# Altium PCB ESP32-DevKit-Final.PcbDoc (continued)
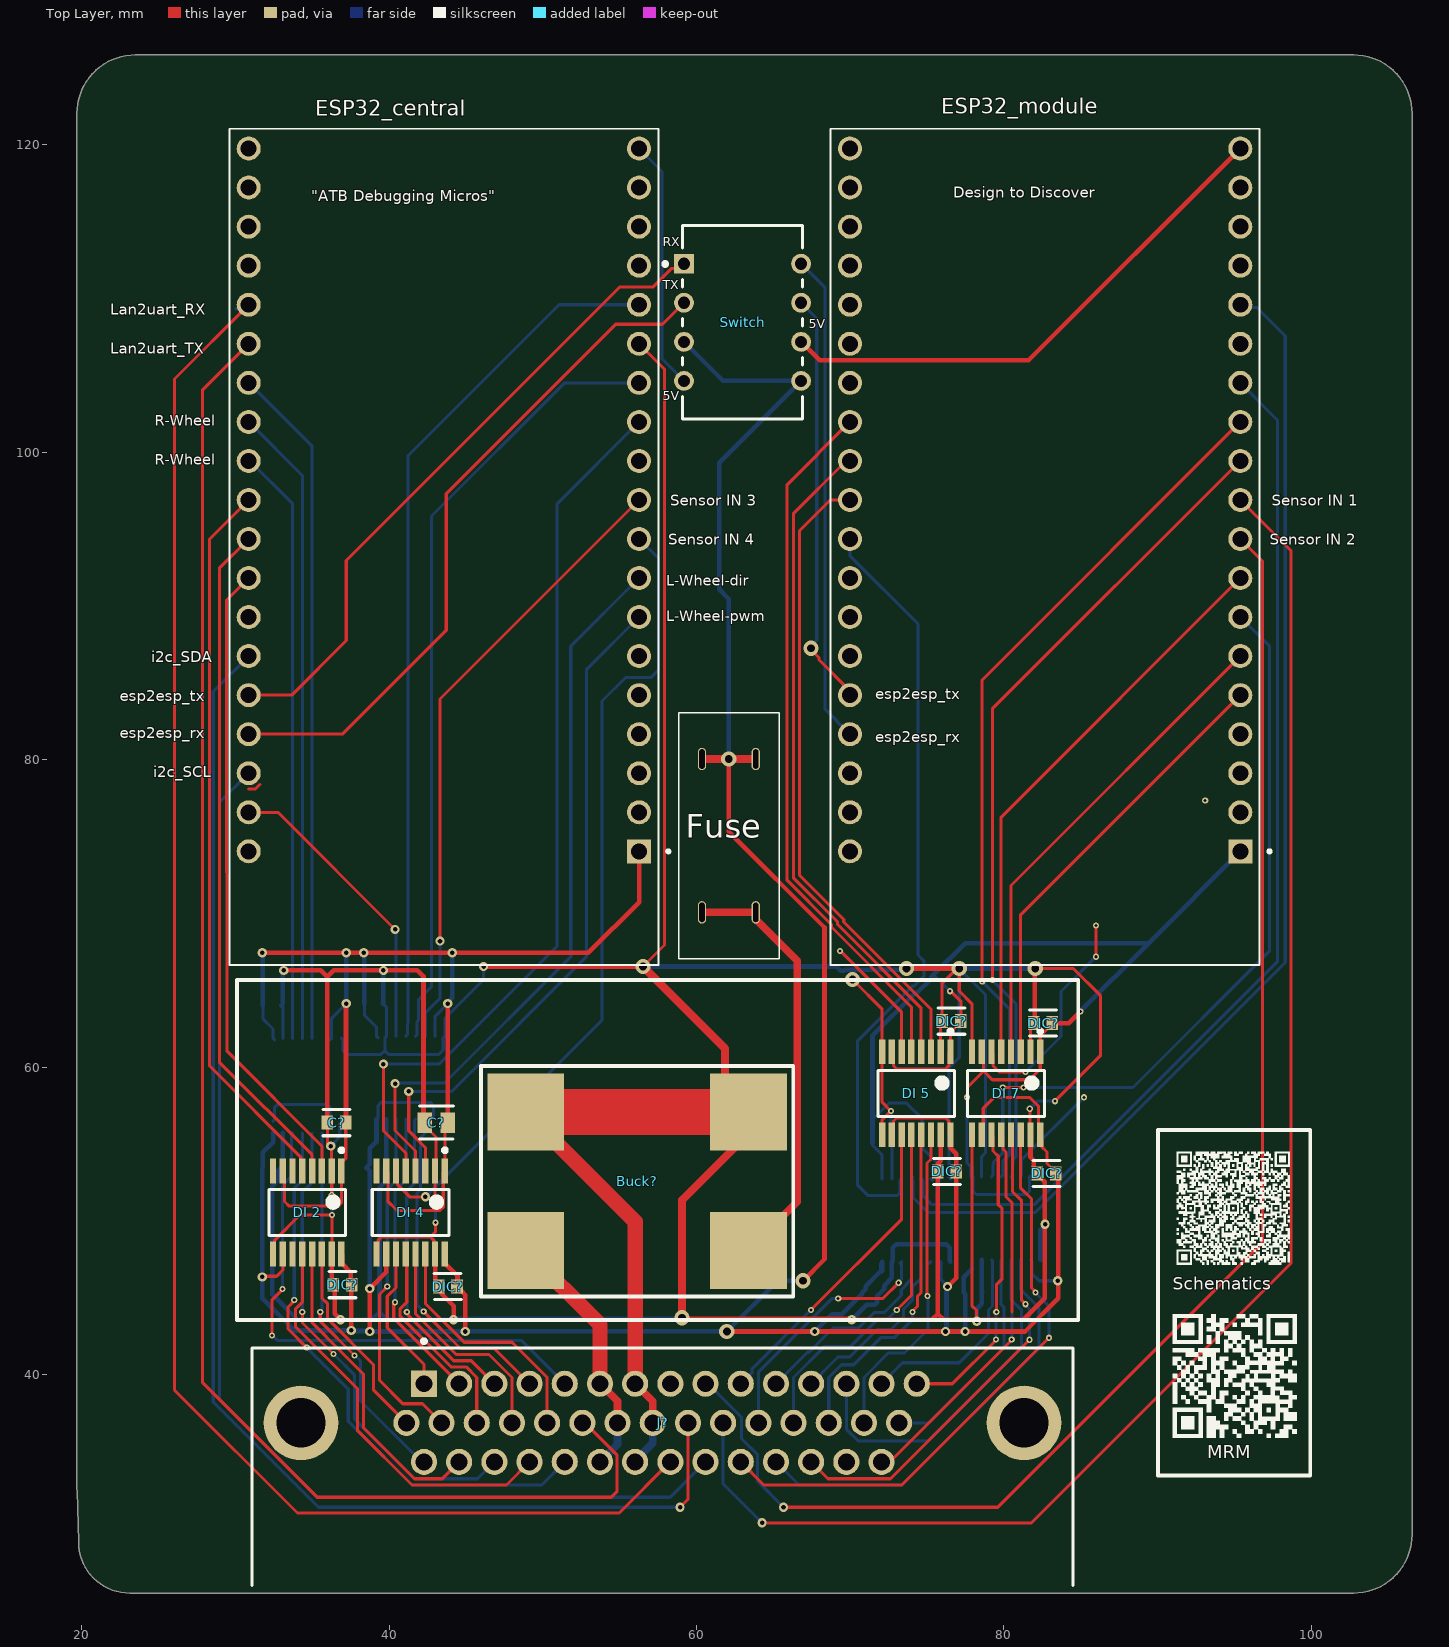
[diagram p0: Top Layer view]
## Nets (pads, with @x,y where several pads share a name; then routed paths per layer and width w, separated by ;. In a path a pad name is that pad's centre, name@x,y a point inside that pad or via, vN(x,y) a via of type N, cw(c..) or ccw(c..) an arc to the next point about the centre after c; other vN are vias at no path point)
GND: "DI 1.2" "DI 1.8" "DI 1.9" "DI 1.15" "DI 2.2" "DI 2.8" "DI 2.9" "DI 2.15" "DI 3.2" "DI 3.8" "DI 3.9" "DI 3.15" "DI 4.2" "DI 4.8" "DI 4.9" "DI 4.15" "DI 5.2" "DI 5.8" "DI 5.9" "DI 5.15" "DI 6.2" "DI 6.8" "DI 6.9" "DI 6.15" "DI 7.2" "DI 7.8" "DI 7.9" "DI 7.15" "DI 8.2" "DI 8.8" "DI 8.9" "DI 8.15" Buck?.2 Buck?.4 C?.2 DIC?.2 ESP32_central.J2-14 J?.7 J?.23 J?.37 | length 445.5
  Top Layer w0.2: 32.448,47.846 32.554,47.951 32.554,48.745 34.195,50.387 v1(36.29,50.387) 36.29,47.878 36.258,47.846 ; C?.2@35.976,56.388 35.976,55.083 v2(36.195,54.864) 36.258,54.8 36.258,53.246 36.264,53.241 v1(36.264,51.665) ; 39.179,47.846 39.285,47.951 39.285,48.745 39.485,48.946 42.684,48.946 ; 39.179,53.246 39.179,53.841 ; C?.2@42.315,56.388 42.315,56.188 43.053,55.45 43.053,53.309 42.989,53.246 ; v1(42.995,51.157) 42.995,52.733 ; 43.021,47.846 43.021,48.604 42.86,48.766 42.86,48.77 42.684,48.946 ; v1(43.021,49.879) 43.021,49.283 42.684,48.946 ; ESP32_central.J2-14 57.912,105.41 57.912,67.945 v3(56.515,66.548) ; v3(59.055,43.688) v3@59.118,43.624 ; v3(70.142,65.703) 72.072,63.773 72.072,60.993 72.072,57.721 v1(72.645,57.149) 72.072,56.577 72.072,55.593 ; 75.882,60.993 75.882,62.893 75.981,62.992 75.981,65.452 v3@76.8,66.271 ; v3(77.089,66.421) 77.089,64.955 77.915,64.129 77.915,60.993 ; 78.02,55.698 77.915,55.593 77.915,44.48 78.226,44.168 v2(78.226,43.465) ; v1(81.679,57.295) 81.702,57.272 81.702,55.616 81.724,55.593 ; 81.724,60.993 81.724,62.639 DIC?.2@81.95,62.865 ; v3(82.042,66.421) 84.507,66.421 86.292,64.636 86.292,60.765 v1(83.312,57.785) ; DIC?.2@82.169,53.086 DIC?.2@82.169,53.161
  Top Layer w0.3: v2(33.147,66.294) 35.56,66.294 35.976,65.878 ; C?.2@35.976,56.388 35.976,65.878 ; 36.258,47.846 36.258,45.847 36.276,45.847 36.449,45.674 36.449,43.946 36.826,43.569 v2(36.838,43.569) ; C?.2@42.315,56.388 42.233,56.47 42.233,65.913 42.21,65.913 41.829,66.294 v2(39.624,66.294) 36.392,66.294 35.976,65.878 ; 42.989,47.846 42.989,45.507 43.053,45.444 DIC?.2@43.21,45.444 ; DIC?.2@43.215,45.72 43.215,45.444 43.416,45.444 43.44,45.42 43.44,45.219 44.196,44.463 v2(44.196,43.561) ; v2(46.143,66.548) v3(56.515,66.548) ; J?.37 J?.37@56.005,34.404 ; v3@59.118,43.624 59.125,43.618 70.047,43.618 v2(70.104,43.561) 75.311,43.561 75.692,43.942 ; Buck?.4@61.849,58.613 Buck?.4 ; v3(73.66,66.421) 76.766,66.421 v3@76.8,66.386 ; 75.882,55.339 75.882,53.911 75.692,53.721 75.692,53.213 75.692,43.942 ; v2@78.169,43.522 77.957,43.522 77.918,43.561 76.073,43.561 75.692,43.942 ; v2@78.276,43.365 78.276,43.433 78.404,43.561 81.242,43.561 82.644,44.963 82.644,52.536 82.169,53.011 DIC?.2@82.169,53.086 ; 81.724,55.339 81.724,54.147 81.944,53.927 81.944,53.386 DIC?.2@82.169,53.161 ; DIC?.2@81.95,62.865 81.996,62.911 81.996,66.375 v3(82.042,66.421)
  Top Layer w0.5: J?.7 57.15,38.255 J?.23 ; v3(56.515,66.548) 61.849,61.214 Buck?.4@61.849,58.613 ; v3(59.055,43.688) 59.055,51.352 Buck?.4@64.781,57.078
  Top Layer w1: Buck?.2 56.005,49.957 J?.7
  Top Layer w3: Buck?.2 Buck?.4
  Bottom Layer w0.2: DIC?.2@32.985,64.008 33.084,63.909 33.084,61.882 ; v2(36.195,54.864) 36.788,55.457 36.788,56.377 36.893,56.482 ; v1(36.264,51.665) 36.277,51.652 36.277,50.4 v1(36.29,50.387) ; 36.893,61.882 36.999,61.777 36.999,61.077 37.243,60.833 39.473,60.833 39.717,61.077 ; DIC?.2@39.589,64.135 39.814,63.909 39.814,62.009 39.717,61.912 39.717,61.077 ; v1(42.995,51.157) 43.008,51.144 43.008,49.892 v1(43.021,49.879) ; v2(46.143,66.548) 46.143,65.685 43.624,63.167 43.624,62.009 43.519,61.904 43.519,61.11 43.243,60.833 39.961,60.833 39.717,61.077 ; DIC?.2@72.644,54.991 72.707,54.927 72.707,52.738 ; DIC?.2@72.645,54.992 v1(72.645,57.149) ; 76.517,52.738 76.435,52.82 76.435,59.973 77.089,60.627 v3(77.089,66.421) 78.797,64.713 78.797,55.499 78.797,54.428 78.549,54.181 78.549,52.865 ; DIC?.2@78.549,45.367 DIC?.2@78.578,45.339 ; v1(81.679,57.295) 82.169,57.785 v1(83.312,57.785)
  Bottom Layer w0.3: DIC?.2@32.985,64.008 33.09,64.113 33.09,66.237 v2(33.147,66.294) ; 33.084,55.72 33.084,53.566 32.985,53.467 32.76,53.242 32.76,52.629 32.385,52.254 32.385,45.212 34.036,43.561 v2@36.83,43.561 ; v2(36.838,43.569) v2@36.83,43.561 ; DIC?.2@39.589,64.135 39.606,64.153 39.606,66.276 v2(39.624,66.294) ; DIC?.2@39.716,53.467 39.716,52.506 39.37,52.16 39.37,44.069 ; DIC?.2@39.814,53.467 39.814,56.609 ; v3(56.515,66.548) 69.108,66.548 69.384,66.272 69.574,66.272 ; v3(59.055,43.688) 58.985,43.618 44.253,43.618 v2(44.196,43.561) 39.878,43.561 39.37,44.069 ; 69.596,66.294 69.648,66.346 70.142,66.346 ; v2(70.104,43.561) 71.082,44.539 71.583,44.539 71.749,44.705 71.749,45.114 71.974,45.339 72.199,45.564 72.199,45.783 72.707,46.291 72.707,47.338 72.763,47.393 72.763,48.258 72.993,48.488 76.232,48.488 76.462,48.258 76.462,47.393 76.517,47.338 ; v3(70.142,65.703) 70.142,66.346 ; v3(73.66,66.421) 73.585,66.346 70.142,66.346 ; v3(77.089,66.421) v3(82.042,66.421) ; v2(78.226,43.465) 78.226,44.281 78.56,44.615 78.56,45.321 DIC?.2@78.578,45.339 ; DIC?.2@78.549,45.367 78.549,47.465 ; 82.359,47.465 82.359,49.385 82.677,49.703 v2(82.677,49.784) ; v2@36.83,43.561 38.862,43.561 39.37,44.069
  Bottom Layer w0.5: J?.37@56.005,34.404 57.15,35.549 J?.23
NetBuck?_1: Buck?.1 J?.6 J?.22 J?.36 | length 16.7
  Top Layer w0.5: J?.6 54.86,38.255 J?.22
  Top Layer w1: Buck?.1 53.715,43.247 J?.6
  Bottom Layer w0.5: J?.36 54.86,35.465 J?.22
NetBuck?_3: Buck?.3 Fuse.0 | length 28.4
  Top Layer w0.3: Buck?.3 Buck?.3@63.679,48.373
  Top Layer w0.5: Fuse.0@60.353,69.616 Fuse.0@60.353,70.069 ; Fuse.0@60.353,70.069 63.853,70.069 63.853,69.617 66.548,66.922 66.548,51.242 Buck?.3@63.679,48.373
NetC?_1: "DI 1.1" "DI 1.7" "DI 2.1" "DI 2.7" "DI 3.1" "DI 3.7" "DI 4.1" "DI 4.7" C?.1 DIC?.1@31.785,64.008 DIC?.1@38.389,64.135 ESP32_central.J2-1 | length 91.6
  Top Layer w0.2: 33.084,53.246 33.189,53.141 33.189,51.263 33.494,50.957 36.693,50.957 36.893,51.158 36.893,53.246 36.893,53.841 36.999,53.946 37.055,53.946 37.176,54.067 37.176,56.388 C?.1@37.211,56.423 ; 39.76,53.301 39.814,53.246 39.92,53.141 39.92,51.267 40.513,50.673 43.307,50.673 43.519,50.885 43.519,53.141 43.624,53.246 43.624,56.197 C?.1@43.815,56.388
  Top Layer w0.3: v2(31.75,67.437) v2(37.211,67.437) v2(38.354,67.437) v2(44.111,67.437) 52.959,67.437 56.261,70.739 ESP32_central.J2-1 ; C?.1@37.211,56.423 37.193,56.441 37.193,64.117 v2(37.211,64.135) ; C?.1@43.815,56.388 v2(43.815,64.135)
  Bottom Layer w0.2: DIC?.1@31.785,64.008 31.785,63.14 32.448,62.477 32.448,61.882 32.554,61.777 ; 36.153,61.777 36.258,61.882 36.258,63.182 v2(37.211,64.135) ; DIC?.1@38.389,64.135 38.389,63.394 39.179,62.604 39.179,62.009 39.285,61.904 ; 42.989,62.009 42.989,63.309 v2(43.815,64.135)
  Bottom Layer w0.3: v2(31.75,67.437) 31.768,67.419 31.768,64.026 DIC?.1@31.785,64.008 ; v2(37.211,64.135) v2(37.211,67.437) ; v2(38.354,67.437) 38.372,67.419 38.372,64.153 DIC?.1@38.389,64.135 ; v2(43.815,64.135) 43.815,64.216 44.111,64.512 v2(44.111,67.437)
"NetDI 1_3": "DI 1.3" ESP32_central.J3-11 | length 38.8
  Bottom Layer w0.2: ESP32_central.J3-11 30.924,99.441 33.718,96.647 33.718,61.882
"NetDI 1_4": "DI 1.4" ESP32_central.J3-12 | length 41.5
  Bottom Layer w0.2: ESP32_central.J3-12 34.353,98.489 34.353,97.917 34.353,61.882
"NetDI 1_5": "DI 1.5" ESP32_central.J3-13 | length 44.3
  Bottom Layer w0.2: ESP32_central.J3-13 34.989,100.393 34.989,61.882
"NetDI 1_10": "DI 1.10" "DI 1.16" "DI 2.10" "DI 2.16" "DI 3.10" "DI 3.16" "DI 4.10" "DI 4.16" "DI 5.10" "DI 5.16" "DI 6.10" "DI 6.16" "DI 7.10" "DI 7.16" "DI 8.10" "DI 8.16" DIC?.1@31.785,53.467 DIC?.1@37.557,45.847 DIC?.1@38.516,53.467 DIC?.1@44.415,45.72 DIC?.1@70.774,45.339 DIC?.1@76.892,53.213 DIC?.1@77.378,45.339 DIC?.1@83.369,53.086 Fuse.1 Switch.3 Switch.5 | length 243.9
  Top Layer w0.2: v2@31.793,46.398 32.682,46.398 33.084,46.799 33.084,47.846 ; 72.707,55.593 72.813,55.698 72.813,56.492 73.013,56.693 76.212,56.693 76.412,56.492 76.412,55.698 76.517,55.593 ; 78.549,55.593 78.655,55.698 78.655,57.319 79.375,58.039 81.661,58.039 82.254,57.446 82.254,55.698 82.359,55.593 82.359,56.156 82.465,56.261 ; 82.359,55.339 82.465,55.234 82.465,54.822 82.804,54.483 82.804,53.726 83.369,53.161 DIC?.1@83.369,53.086
  Top Layer w0.3: v2(31.75,46.355) v2@31.793,46.398 ; 36.893,47.846 36.949,47.791 36.949,47.196 37.511,46.633 37.511,45.797 37.531,45.659 37.547,45.642 37.547,42.881 v2(37.536,42.87) ; v2(38.735,42.799) v2(38.735,45.593) 39.814,46.672 39.814,47.846 ; 43.624,47.846 43.624,47.251 44.45,46.426 DIC?.1@44.45,45.72 ; DIC?.1@44.415,45.72 44.415,45.645 44.64,45.42 44.715,45.42 44.958,45.177 v2(44.958,42.799) ; v3@61.989,42.812 62.001,42.799 v2(67.691,42.799) v2(76.2,42.799) v2(77.47,42.799) 81.369,42.799 83.528,44.958 83.528,46.066 v2(83.493,46.101) ; v3(62.103,80.045) 62.103,75.311 68.326,69.088 68.326,47.498 v3(66.929,46.101) ; v2(76.327,45.72) 76.892,46.285 76.892,53.213 76.892,54.37 76.517,54.744 76.517,55.339 ; DIC?.1@83.369,53.086 83.528,52.927 83.528,46.24 83.467,46.179 v2@83.393,46.179
  Top Layer w0.5: Fuse.1@60.353,80.045 v3(62.103,80.045) Fuse.1@63.853,80.045
  Bottom Layer w0.2: 32.448,56.482 32.554,56.587 32.554,57.381 32.754,57.582 35.953,57.582 36.153,57.381 36.153,56.587 36.258,56.482 ; 39.179,56.609 39.285,56.714 39.285,57.508 39.485,57.709 42.684,57.709 42.884,57.508 42.884,56.714 42.989,56.609 ; DIC?.1@70.774,45.264 DIC?.1@70.774,45.339 ; 71.967,46.741 71.967,47.233 72.072,47.338 ; 75.882,47.338 75.917,47.303 75.917,46.159 76.327,45.749 v2(76.327,45.72) v2@76.263,45.657 ; v2(76.2,42.799) v2@76.263,42.862 ; DIC?.1@77.378,45.339 DIC?.1@77.47,45.247 ; 77.915,46.87 77.915,47.465 ; 81.724,47.465 81.83,47.36 81.83,46.566 82.294,46.101 v2(83.493,46.101)
  Bottom Layer w0.3: 32.448,55.72 32.448,55.125 31.785,54.462 31.785,53.467 31.75,53.432 v2(31.75,46.355) 31.75,44.958 33.843,42.865 37.531,42.865 v2(37.536,42.87) ; v2@37.563,42.832 38.702,42.832 v2(38.735,42.799) v2(44.958,42.799) 44.971,42.812 v3@61.963,42.812 ; v2(38.735,45.593) 38.735,53.248 38.516,53.467 38.735,53.686 38.735,54.713 39.092,55.07 39.124,55.07 39.179,55.125 39.179,56.609 ; Switch.3 61.722,104.648 Switch.5 61.468,99.314 61.468,91.09 62.103,90.455 v3(62.103,80.045) ; v3(61.976,42.799) 65.278,46.101 v3(66.929,46.101) ; v2(67.691,42.799) 68.824,43.932 69.442,43.932 DIC?.1@70.774,45.264 ; DIC?.1@70.774,45.339 70.999,45.564 70.999,45.755 71.932,46.688 72.017,46.688 72.072,46.743 72.072,47.338 ; v2@76.263,42.862 v2@76.263,45.657 ; DIC?.1@77.378,45.339 77.378,46.334 77.915,46.87 ; v2(77.47,42.799) DIC?.1@77.47,45.247
"NetDI 1_11": "DI 1.11" J?.31 | length 24.4
  Top Layer w0.2: v1(35.52,44.061) 35.52,43.473 v1(37.747,41.245)
  Bottom Layer w0.2: v1(35.52,44.061) 35.52,44.115 35.623,44.219 35.623,55.72 ; v1(37.747,41.245) 37.784,41.245 38.14,40.889 38.14,38.284 42.104,34.32 J?.31
"NetDI 1_12": "DI 1.12" J?.33 | length 31.4
  Top Layer w0.2: v1(34.348,44.069) 34.367,44.05 34.367,43.356 v1(36.383,41.34)
  Bottom Layer w0.2: v1(34.348,44.069) 34.348,51.874 34.989,52.514 34.989,55.72 ; v1(36.383,41.34) 37.74,39.983 37.74,37.129 41.649,33.22 45.745,33.22 J?.33
"NetDI 1_13": "DI 1.13" J?.35 | length 37.2
  Top Layer w0.2: v1(33.829,44.842) 33.829,44.796 33.42,44.387 33.42,42.974 v1(34.641,41.753)
  Bottom Layer w0.2: v1(33.829,44.842) 33.829,52.117 34.353,52.642 34.353,55.72 ; v1(34.641,41.753) 37.34,39.054 37.34,36.963 41.483,32.82 49.925,32.82 J?.35
"NetDI 1_14": "DI 1.14" J?.5 | length 34.1
  Top Layer w0.2: v1(32.385,42.545) 32.385,44.873 v1(33.071,45.56)
  Bottom Layer w0.2: v1(32.385,42.545) 32.408,42.545 32.75,42.203 48.622,42.203 J?.5 ; v1(33.071,45.56) 33.071,52.304 33.66,52.893 33.66,55.661 33.718,55.72
"NetDI 2_3": "DI 2.3" ESP32_central.J3-8 | length 41.7
  Top Layer w0.2: ESP32_central.J3-8 29.431,90.391 29.431,84.205 ccw(c30.861,84.201) 29.431,84.2 29.464,61.029 29.523,60.971 35.623,54.87 35.623,53.246
"NetDI 2_4": "DI 2.4" ESP32_central.J3-9 | length 44.4
  Top Layer w0.2: ESP32_central.J3-9 28.956,92.456 28.956,60.325 34.989,54.292 34.989,53.246
"NetDI 2_5": "DI 2.5" ESP32_central.J3-10 | length 47.2
  Top Layer w0.2: ESP32_central.J3-10 28.321,94.361 28.321,93.98 28.321,60.073 34.248,54.145 34.248,53.351 34.353,53.246
"NetDI 2_11": "DI 2.11"
"NetDI 2_12": "DI 2.12" J?.34 | length 26.6
  Top Layer w0.2: 34.353,47.846 34.353,44.711 33.898,44.255 33.898,43.132 37.932,39.098 37.932,36.371 41.483,32.82 47.635,32.82 J?.34
"NetDI 2_13": "DI 2.13" J?.32 | length 20.7
  Top Layer w0.2: 34.989,47.846 34.989,43.371 36.833,41.526 36.833,41.523 38.333,40.024 38.333,36.536 41.649,33.22 43.455,33.22 J?.32
"NetDI 2_14": "DI 2.14" J?.16 | length 13.3
  Top Layer w0.2: 35.623,47.846 35.623,44.982 35.999,44.607 35.999,43.63 38.97,40.659 38.97,39.01 J?.16
"NetDI 3_3": "DI 3.3" ESP32_central.J3-2 | length 19.7
  Top Layer w0.2: ESP32_central.J3-2 32.766,76.581 v2(40.386,68.961)
  Bottom Layer w0.2: v2(40.386,68.961) 40.45,68.897 40.45,62.009
"NetDI 3_4": "DI 3.4" ESP32_central.J2-15 | length 56.9
  Bottom Layer w0.2: 41.084,62.009 41.19,62.114 41.19,62.801 41.214,62.826 41.214,99.762 51.054,109.601 ESP32_central.J2-15
"NetDI 3_5": "DI 3.5" ESP32_central.J2-13 | length 51.4
  Bottom Layer w0.2: 41.719,62.009 41.825,62.114 41.825,62.978 41.905,63.058 41.905,64.385 42.757,65.237 42.757,95.854 51.424,104.521 ESP32_central.J2-13
"NetDI 3_6": "DI 3.6" ESP32_central.J2-10 | length 40.7
  Top Layer w0.2: v2(43.307,68.199) 43.307,83.947 ESP32_central.J2-10
  Bottom Layer w0.2: 42.355,62.009 42.355,63.523 43.307,64.476 v2(43.307,68.199)
"NetDI 3_11": "DI 3.11" J?.4 | length 21.8
  Top Layer w0.2: v1(42.249,44.094) 44.643,41.7 46.835,41.7 J?.4
  Bottom Layer w0.2: v1(42.249,44.094) 41.809,44.534 41.809,51.79 42.037,52.018 42.037,55.403 42.355,55.72 42.355,56.609
"NetDI 3_12": "DI 3.12" J?.3 | length 20.5
  Top Layer w0.2: v1(41.149,44.068) 41.187,44.03 41.187,43.915 44.202,40.9 45.345,40.9 J?.3
  Bottom Layer w0.2: 41.148,48.071 41.148,51.943 41.637,52.432 41.637,56.527 41.719,56.609 ; v1(41.149,44.068) 41.149,48.07
"NetDI 3_13": "DI 3.13" J?.2 | length 19.3
  Top Layer w0.2: v1(40.386,44.704) 40.386,44.65 40.299,44.563 40.299,43.656 J?.2
  Bottom Layer w0.2: v1(40.386,44.704) 40.386,51.943 41.084,52.642 41.084,56.609
"NetDI 3_14": "DI 3.14" J?.17 | length 22.6
  Top Layer w0.2: v1(39.877,45.721) v1(39.877,45.721) 39.37,45.212 39.37,39.624 40.894,38.1 42.17,38.1 J?.17
  Bottom Layer w0.2: v1@39.878,45.721 39.878,52.031 40.45,52.603 40.45,56.609
"NetDI 4_3": "DI 4.3" ESP32_central.J2-7 | length 44.3
  Top Layer w0.2: v2(41.275,58.42) 41.275,55.854 42.355,54.774 42.355,53.246
  Bottom Layer w0.2: v2(41.275,58.42) 44.069,58.42 52.832,67.183 52.832,85.852 ESP32_central.J2-7
"NetDI 4_4": "DI 4.4" ESP32_central.J2-8 | length 47.6
  Top Layer w0.2: v2(40.386,58.928) 40.386,55.88 41.719,54.546 41.719,53.246
  Bottom Layer w0.2: v2(40.386,58.928) 40.428,58.97 43.603,58.97 51.816,67.183 51.816,87.376 ESP32_central.J2-8
"NetDI 4_5": "DI 4.5" ESP32_central.J2-12 | length 58.4
  Top Layer w0.2: v2(39.624,60.198) 39.624,55.88 41.084,54.419 41.084,53.246
  Bottom Layer w0.2: v2(39.624,60.198) 43.243,60.198 50.927,67.882 50.927,96.647 ESP32_central.J2-12
"NetDI 4_6": "DI 4.6" ESP32_central.J2-9 | length 53.6
  Top Layer w0.2: 40.45,53.246 40.555,53.141 40.555,52.347 41.339,51.562 v2(42.359,51.562)
  Bottom Layer w0.2: v2(42.359,51.562) 53.848,63.051 53.848,83.82 55.372,85.344 57.023,85.344 57.531,85.852 57.531,93.091 ESP32_central.J2-9
"NetDI 4_11": "DI 4.11" J?.1 | length 9.7
  Top Layer w0.2: 40.45,47.846 40.45,45.657 39.878,45.085 39.878,43.053 42.265,40.666 J?.1
"NetDI 4_12": "DI 4.12" J?.18 | length 13.8
  Top Layer w0.2: 41.084,47.846 41.148,47.783 41.148,44.704 40.699,44.255 40.699,43.822 44.021,40.5 45.011,40.5 45.7,39.811 J?.18
"NetDI 4_13": "DI 4.13" J?.19 | length 14.8
  Top Layer w0.2: 41.719,47.846 41.719,43.948 44.367,41.3 46.501,41.3 47.99,39.811 J?.19
"NetDI 4_14": "DI 4.14" J?.20 | length 16.3
  Top Layer w0.2: 42.355,47.846 42.355,44.625 44.879,42.1 47.991,42.1 50.28,39.811 J?.20 J?.20@50.119,36.86
"NetDI 5_1": "DI 5.1" "DI 5.7" "DI 6.1" "DI 6.7" "DI 7.1" "DI 7.7" "DI 8.1" "DI 8.7" DIC?.1@71.444,54.991 DIC?.1@77.181,62.992 DIC?.1@77.597,55.499 DIC?.1@83.15,62.865 ESP32_module.J2-1 | length 89.3
  Top Layer w0.2: 72.707,60.993 72.813,60.888 72.813,60.094 73.013,59.893 76.212,59.893 76.412,60.094 76.412,60.888 76.517,60.993 76.517,62.254 77.181,62.917 77.181,62.992 77.216,63.027 77.216,64.262 76.538,64.94 v1(76.484,64.94) ; v1(77.597,58.039) 77.625,58.067 77.625,58.696 78.679,59.751 ; 78.549,60.993 78.655,60.888 78.655,60.201 78.679,60.176 78.679,59.751 ; DIC?.1@83.15,62.865 83.15,62.79 82.875,62.515 82.849,62.515 82.359,62.025 82.359,60.993 82.359,59.88 81.661,59.182 79.248,59.182 78.679,59.751
  Top Layer w0.3: DIC?.1@83.15,62.865 84.228,62.865 84.963,63.6 v1(84.963,63.627)
  Bottom Layer w0.2: DIC?.1@71.444,55.066 71.444,54.991 71.444,54.916 72.072,54.288 72.072,52.738 ; 71.444,56.585 72.517,57.658 73.66,57.658 74.676,56.642 74.676,54.739 75.752,53.662 75.752,53.555 75.777,53.53 75.777,52.843 75.882,52.738 ; 75.411,66.013 v1(76.484,64.94) ; v1(77.597,58.039) 77.597,55.499 77.597,53.777 77.915,53.46 ; 77.97,52.81 77.97,51.945 78.2,51.715 81.439,51.715 81.669,51.945 81.669,52.81
  Bottom Layer w0.3: DIC?.1@71.444,55.066 71.444,56.585 71.444,62.046 74.219,64.821 74.323,64.821 75.26,65.758 75.26,65.862 75.411,66.013 77.47,68.072 89.408,68.072 ; 77.915,53.46 77.915,52.865 77.97,52.81 ; 81.669,52.81 81.724,52.865 ; v1(84.963,63.627) 89.408,68.072 ; ESP32_module.J2-1 89.408,68.072
"NetDI 5_3": "DI 5.3" ESP32_module.J3-10 | length 41.6
  Top Layer w0.2: ESP32_module.J3-10 68.707,96.901 66.694,94.888 66.694,72.488 69.576,69.606 69.576,69.444 75.248,63.773 75.248,60.993
"NetDI 5_4": "DI 5.4" ESP32_module.J3-11 | length 43.6
  Top Layer w0.2: ESP32_module.J3-11 69.723,99.441 66.294,96.012 66.294,72.322 69.176,69.44 69.176,69.279 74.612,63.842 74.612,60.993
"NetDI 5_5": "DI 5.5" ESP32_module.J3-12 | length 46
  Top Layer w0.2: ESP32_module.J3-12 65.894,97.898 65.894,72.156 68.776,69.274 68.776,69.113 73.977,63.911 73.977,60.993
"NetDI 5_11": "DI 5.11" J?.10 | length 20.3
  Top Layer w0.2: v1(67.436,44.197) 73.343,50.103 73.343,55.339
  Bottom Layer w0.2: J?.10 63.62,40.145 63.62,40.38 v1(67.436,44.197)
"NetDI 5_12": "DI 5.12" J?.27 | length 23
  Top Layer w0.2: v1(73.025,44.196) 73.977,45.148 73.977,55.339
  Bottom Layer w0.2: J?.27 66.31,39.811 68.335,41.835 70.029,41.835 71.819,43.624 72.453,43.624 v1(73.025,44.196)
"NetDI 5_13": "DI 5.13" J?.28 | length 22
  Top Layer w0.2: v1(74.041,44.069) 74.041,44.103 74.377,44.44 74.377,45.102 74.597,45.321 74.597,55.324 74.612,55.339
  Bottom Layer w0.2: J?.28 68.6,39.811 69.429,40.64 70.231,40.64 72.009,42.418 72.898,42.418 74.041,43.561 v1(74.041,44.069)
"NetDI 5_14": "DI 5.14" J?.29 | length 20.9
  Top Layer w0.2: v1@74.997,45.145 74.997,53.768 75.248,54.018 75.248,55.339
  Bottom Layer w0.2: J?.29 70.89,39.811 72.481,41.402 73.533,41.402 75.057,42.926 75.057,45.085 v1@74.997,45.145
  other v1: 75.031,45.118
"NetDI 6_3": "DI 6.3" ESP32_module.J3-9 | length 50
  Bottom Layer w0.2: ESP32_module.J3-9 69.977,93.278 74.41,88.845 74.41,67.297 74.81,66.897 74.81,65.945 74.136,65.271 74.033,65.271 70.485,61.723 70.485,52.324 71.171,51.638 73.037,51.638 73.237,51.839 73.237,52.633 73.343,52.738
"NetDI 6_4": "DI 6.4" ESP32_module.J2-15 | length 77.3
  Bottom Layer w0.2: 74.083,52.843 73.977,52.738 74.083,52.633 74.083,51.52 75.057,50.546 82.035,50.546 98.298,66.809 98.298,107.569 96.457,109.41 95.568,109.41 ESP32_module.J2-15
"NetDI 6_5": "DI 6.5" ESP32_module.J2-13 | length 69.7
  Bottom Layer w0.2: 74.612,52.738 74.718,52.633 74.718,51.647 75.311,51.054 81.978,51.054 97.79,66.866 97.79,102.108 ESP32_module.J2-13
"NetDI 6_12": "DI 6.12" J?.12 | length 11.9
  Bottom Layer w0.2: J?.12 69.203,41.148 69.977,41.148 71.755,42.926 72.645,42.926 73.475,43.756 73.475,44.265 74.041,44.831 74.041,45.702 74.612,46.274 74.612,47.338
"NetDI 6_13": "DI 6.13" J?.11 | length 13
  Bottom Layer w0.2: J?.11 67.215,41.45 67.315,41.45 68.876,43.011 70.53,43.011 71.544,44.024 72.198,44.024 73.317,45.144 73.317,45.503 73.641,45.827 73.641,45.868 73.977,46.204 73.977,47.338
"NetDI 6_14": "DI 6.14" J?.26 | length 16.4
  Top Layer w0.2: v1(69.215,44.958) 72.136,44.958 v1(73.152,45.974)
  Bottom Layer w0.2: J?.26 64.02,40.144 68.834,44.958 v1(69.215,44.958) ; v1(73.152,45.974) 73.152,46.028 73.343,46.219 73.343,47.338 73.237,47.233
"NetDI 7_3": "DI 7.3" ESP32_module.J2-5 | length 29.1
  Top Layer w0.2: 81.09,60.993 81.09,69.913 ESP32_module.J2-5
"NetDI 7_4": "DI 7.4" ESP32_module.J2-6 | length 31.9
  Top Layer w0.2: 80.454,60.993 80.454,71.819 ESP32_module.J2-6
"NetDI 7_5": "DI 7.5" ESP32_module.J2-8 | length 37.3
  Top Layer w0.2: 79.819,60.993 79.819,76.263 ESP32_module.J2-8
"NetDI 7_11": "DI 7.11" J?.15 | length 20.1
  Top Layer w0.2: J?.15 76.638,39.4 79.488,42.25 v1(79.488,42.278) ; 79.184,55.593 79.29,55.488 79.29,54.541 79.629,54.201 79.629,51.054 79.883,50.8 79.883,46.228 79.502,45.847 v1(79.502,44.069)
  Bottom Layer w0.2: v1(79.488,42.278) 79.495,42.285 79.495,44.062 v1(79.502,44.069)
"NetDI 7_12": "DI 7.12" J?.44 | length 25.4
  Top Layer w0.2: J?.44 72.322,34.607 72.861,34.607 80.504,42.25 v1(80.504,42.278) ; 79.819,55.593 79.925,55.488 79.925,54.694 80.137,54.481 80.137,51.562 80.518,51.181 80.518,44.069
  Bottom Layer w0.2: v1(80.504,42.278) 80.511,42.285 80.511,44.062 80.518,44.069
"NetDI 7_13": "DI 7.13" J?.42 | length 32.2
  Top Layer w0.2: J?.42 68.555,33.22 72.617,33.22 v1(81.661,42.264) ; 80.454,55.593 80.56,55.488 80.56,51.901 81.153,51.308 81.153,44.831 v1(81.407,44.577)
  Bottom Layer w0.2: v1@81.407,44.523 81.661,44.269 v1@81.661,42.291
"NetDI 7_14": "DI 7.14" J?.40 | length 38.6
  Top Layer w0.2: J?.40 64.375,32.82 73.36,32.82 v1(82.931,42.391) ; 81.09,55.593 81.065,55.568 81.065,52.158 81.788,51.435 81.788,45.647 82.042,45.393 v1(82.042,45.339)
  Bottom Layer w0.2: v1(82.042,45.339) 82.931,44.45 v1(82.931,42.391) v1@82.931,42.372
"NetDI 8_3": "DI 8.3" ESP32_module.J2-7 | length 49.7
  Top Layer w0.2: v1(79.922,58.674) v1(81.28,58.674)
  Bottom Layer w0.2: 79.184,52.865 79.29,52.97 79.29,53.657 79.314,53.682 79.314,53.834 79.922,54.441 v1(79.922,58.674) ; v1(81.28,58.674) 88.392,58.674 97.282,67.564 97.282,87.376 ESP32_module.J2-7
"NetDI 8_4": "DI 8.4" ESP32_module.J2-12 | length 57
  Top Layer w0.2: v1(78.585,65.562) 78.585,85.189 ESP32_module.J2-12
  Bottom Layer w0.2: v1(78.585,65.562) 80.372,63.774 80.372,54.325 79.949,53.903 79.949,53.682 79.925,53.657 79.925,52.97 79.819,52.865
"NetDI 8_5": "DI 8.5" ESP32_module.J2-11 | length 54
  Top Layer w0.2: v1(79.248,65.659) 79.248,83.312 ESP32_module.J2-11
  Bottom Layer w0.2: v1(79.248,65.659) 80.772,64.135 80.772,54.16 80.584,53.972 80.584,53.682 80.56,53.657 80.56,52.97 80.454,52.865
"NetDI 8_11": "DI 8.11" J?.41 | length 27.7
  Bottom Layer w0.2: J?.41 66.665,32.82 73.361,32.82 82.29,41.749 82.29,44.33 81.09,45.531 81.09,47.465
"NetDI 8_12": "DI 8.12" J?.13 | length 23.2
  Bottom Layer w0.2: J?.13 69.745,36.449 70.507,35.687 75.057,35.687 81.147,41.777 81.147,44.185 80.454,44.877 80.454,47.465
"NetDI 8_13": "DI 8.13" J?.30 | length 14.6
  Bottom Layer w0.2: J?.30 75.103,36.86 79.999,41.756 79.999,44.38 79.819,44.56 79.819,47.465
"NetDI 8_14": "DI 8.14" J?.14 | length 13.2
  Bottom Layer w0.2: J?.14 73.402,40.767 77.089,40.767 78.994,42.672 78.994,44.197 79.253,44.456 79.253,47.397 79.184,47.465
NetESP32_central_J2-19: ESP32_central.J2-19 Switch.4 | length 16.3
  Bottom Layer w0.2: ESP32_central.J2-19 57.747,118.275 57.747,106.083 Switch.4
NetESP32_central_J3-3: ESP32_central.J3-3 J?.39 | length 76.7
  Bottom Layer w0.2: ESP32_central.J3-3 28.956,77.216 28.956,38.386 35.322,32.02 58.285,32.02 J?.39
NetESP32_central_J3-4: ESP32_central.J3-4 Switch.2 | length 45.2
  Top Layer w0.2: ESP32_central.J3-4 36.957,81.661 43.718,88.422 43.718,97.312 54.737,108.331 57.785,108.331 Switch.2
NetESP32_central_J3-5: ESP32_central.J3-5 Switch.1 | length 43
  Top Layer w0.2: ESP32_central.J3-5 33.655,84.201 37.211,87.757 37.211,92.964 54.991,110.744 57.15,110.744 58.354,111.948 58.862,111.948 Switch.1
NetESP32_central_J3-6: ESP32_central.J3-6 J?.24 | length 88.4
  Top Layer w0.2: v2(58.928,31.369) 59.44,31.881 J?.24
  Bottom Layer w0.2: ESP32_central.J3-6 28.556,84.436 28.556,38.22 35.407,31.369 v2(58.928,31.369)
NetESP32_central_J3-14: ESP32_central.J3-14 J?.21 | length 104.5
  Top Layer w0.2: ESP32_central.J3-14 27.871,104.071 27.871,39.471 35.322,32.02 54.46,32.02 54.815,32.375 54.815,34.776 52.731,36.86 J?.21
NetESP32_central_J3-15: ESP32_central.J3-15 J?.38 | length 110.5
  Top Layer w0.2: ESP32_central.J3-15 26.035,104.775 26.035,38.989 34.036,30.988 54.963,30.988 J?.38
  Bottom Layer w0.2: 30.035,109.341 30.601,109.341 ESP32_central.J3-15
NetESP32_modular_J2-9: ESP32_module.J2-9 J?.9 | length 94.9
  Top Layer w0.2: v2(65.659,31.369) 79.597,31.369 96.807,48.579 96.807,92.931 ESP32_module.J2-9
  Bottom Layer w0.2: J?.9 60.746,39.4 62.92,37.226 62.92,35.831 63.975,34.776 63.975,33.053 v2(65.659,31.369)
NetESP32_modular_J2-10: ESP32_module.J2-10 J?.25 | length 100
  Top Layer w0.2: v2(64.262,30.353) 81.788,30.353 98.679,47.244 98.679,93.599 ESP32_module.J2-10
  Bottom Layer w0.2: J?.25 61.73,32.885 v2(64.262,30.353)
NetESP32_modular_J2-19: ESP32_module.J2-19 Switch.6 | length 34.8
  Top Layer w0.3: Switch.6 68.009,105.981 81.597,105.981 ESP32_module.J2-19
NetESP32_modular_J3-4: ESP32_module.J3-4 Switch.8 | length 31.9
  Bottom Layer w0.2: Switch.8 68.364,110.706 68.364,83.274 ESP32_module.J3-4
NetESP32_modular_J3-5: ESP32_module.J3-5 Switch.7 | length 27.2
  Top Layer w0.2: v3(67.444,87.249) 67.444,87.167 67.969,86.642 67.969,86.501 69.977,84.493 ESP32_module.J3-5
  Bottom Layer w0.2: Switch.7 67.818,108.712 67.818,87.766 67.444,87.392 v3(67.444,87.249)
NetJ?_8: J?.8
NetJ?_43: J?.43
pads on no net: "DI 1.6" "DI 2.6" "DI 5.6" "DI 6.6" "DI 6.11" "DI 7.6" "DI 8.6" ESP32_central.J2-2 ESP32_central.J2-3 ESP32_central.J2-4 ESP32_central.J2-5 ESP32_central.J2-6 ESP32_central.J2-11 ESP32_central.J2-16 ESP32_central.J2-17 ESP32_central.J2-18 ESP32_central.J3-1 ESP32_central.J3-7 ESP32_central.J3-16 ESP32_central.J3-17 ESP32_central.J3-18 ESP32_central.J3-19 ESP32_module.J2-2 ESP32_module.J2-3 ESP32_module.J2-4 ESP32_module.J2-14 ESP32_module.J2-16 ESP32_module.J2-17 ESP32_module.J2-18 ESP32_module.J3-1 ESP32_module.J3-2 ESP32_module.J3-3 ESP32_module.J3-6 ESP32_module.J3-7 ESP32_module.J3-8 ESP32_module.J3-13 ESP32_module.J3-14 ESP32_module.J3-15 ESP32_module.J3-16 ESP32_module.J3-17 ESP32_module.J3-18 ESP32_module.J3-19 J?.45 J?.46
copper on no net: | length 30.9
  Top Layer w0.2: 30.861,78.091 31.288,78.091 31.589,78.393 ; v1(69.342,67.564) 73.343,63.563 73.343,60.993 ; 79.184,60.993 79.29,60.888 79.29,60.094 79.693,59.69 v1(81.407,59.69) ; v1(85.979,67.183) v1(85.979,69.215)
  Bottom Layer w0.2: 75.142,47.233 75.248,47.338 ; 75.248,52.738 75.353,52.633 ; 81.09,52.865 81.143,52.918 81.143,53.965 v1(85.217,58.039) ; v1(81.407,59.69) 83.712,61.995 83.712,64.916 v1(85.979,67.183)
  other v1: 93.091,77.343

## Silkscreen, mask and mechanical layers (free items; w line width, h text height)
Top Overlay:
  drawing of 252 lines, arcs and shapes, not listed
  text "Design to Discover" at 76.708,116.573 h0.72
  text "\"ATB Debugging Micros\"" at 34.925,116.319 h0.72
  text "RX" at 57.785,113.411 h0.6
  text "TX" at 57.785,110.617 h0.6
  text "Lan2uart_RX" at 21.844,108.96 h0.72
  text "5V" at 67.31,108.077 h0.6
  text "Lan2uart_TX" at 21.844,106.42 h0.72
  text "5V" at 57.785,103.378 h0.6
  text "R-Wheel" at 24.765,101.727 h0.7
  text "R-Wheel" at 24.765,99.187 h0.7
  text "Sensor IN 3" at 58.293,96.52 h0.72
  text "Sensor IN 1" at 97.409,96.52 h0.72
  text "Sensor IN 4" at 58.166,93.98 h0.72
  text "Sensor IN 2" at 97.282,93.98 h0.72
  text "L-Wheel-dir" at 58.039,91.313 h0.7
  text "L-Wheel-pwm" at 58.039,89.006 h0.7
  text "i2c_SDA" at 24.511,86.354 h0.72
  text "esp2esp_tx" at 71.628,83.934 h0.72
  text "esp2esp_tx" at 22.479,83.807 h0.72
  text "esp2esp_rx" at 22.479,81.394 h0.72
  text "esp2esp_rx" at 71.628,81.14 h0.72
  text "i2c_SCL" at 24.638,78.861 h0.72
  text "Schematics" at 90.975,45.528 h0.8
  text "MRM" at 93.218,34.544 h0.85
Bottom Overlay:
  drawing of 21 lines, arcs and shapes, not listed
  text "Harsh_Gupta" at 100.33,26.53 h0.72
Mechanical 1:
  lines w0.254: 19.812,32.512 19.812,121.285 19.812,122.047 cw(c23.495,122.047) 23.495,125.73 102.616,125.73 ; 19.812,33.401 19.926,29.103 ccw(c23.121,29.103) 23.121,25.908 102.616,25.908 ; 102.743,25.908 ccw(c102.743,29.591) 106.426,29.591 ; 102.743,125.73 cw(c102.743,122.047) 106.426,122.047 ; 106.426,29.718 106.426,121.92